# Allegro board LAY-38820_A.brd (continued)
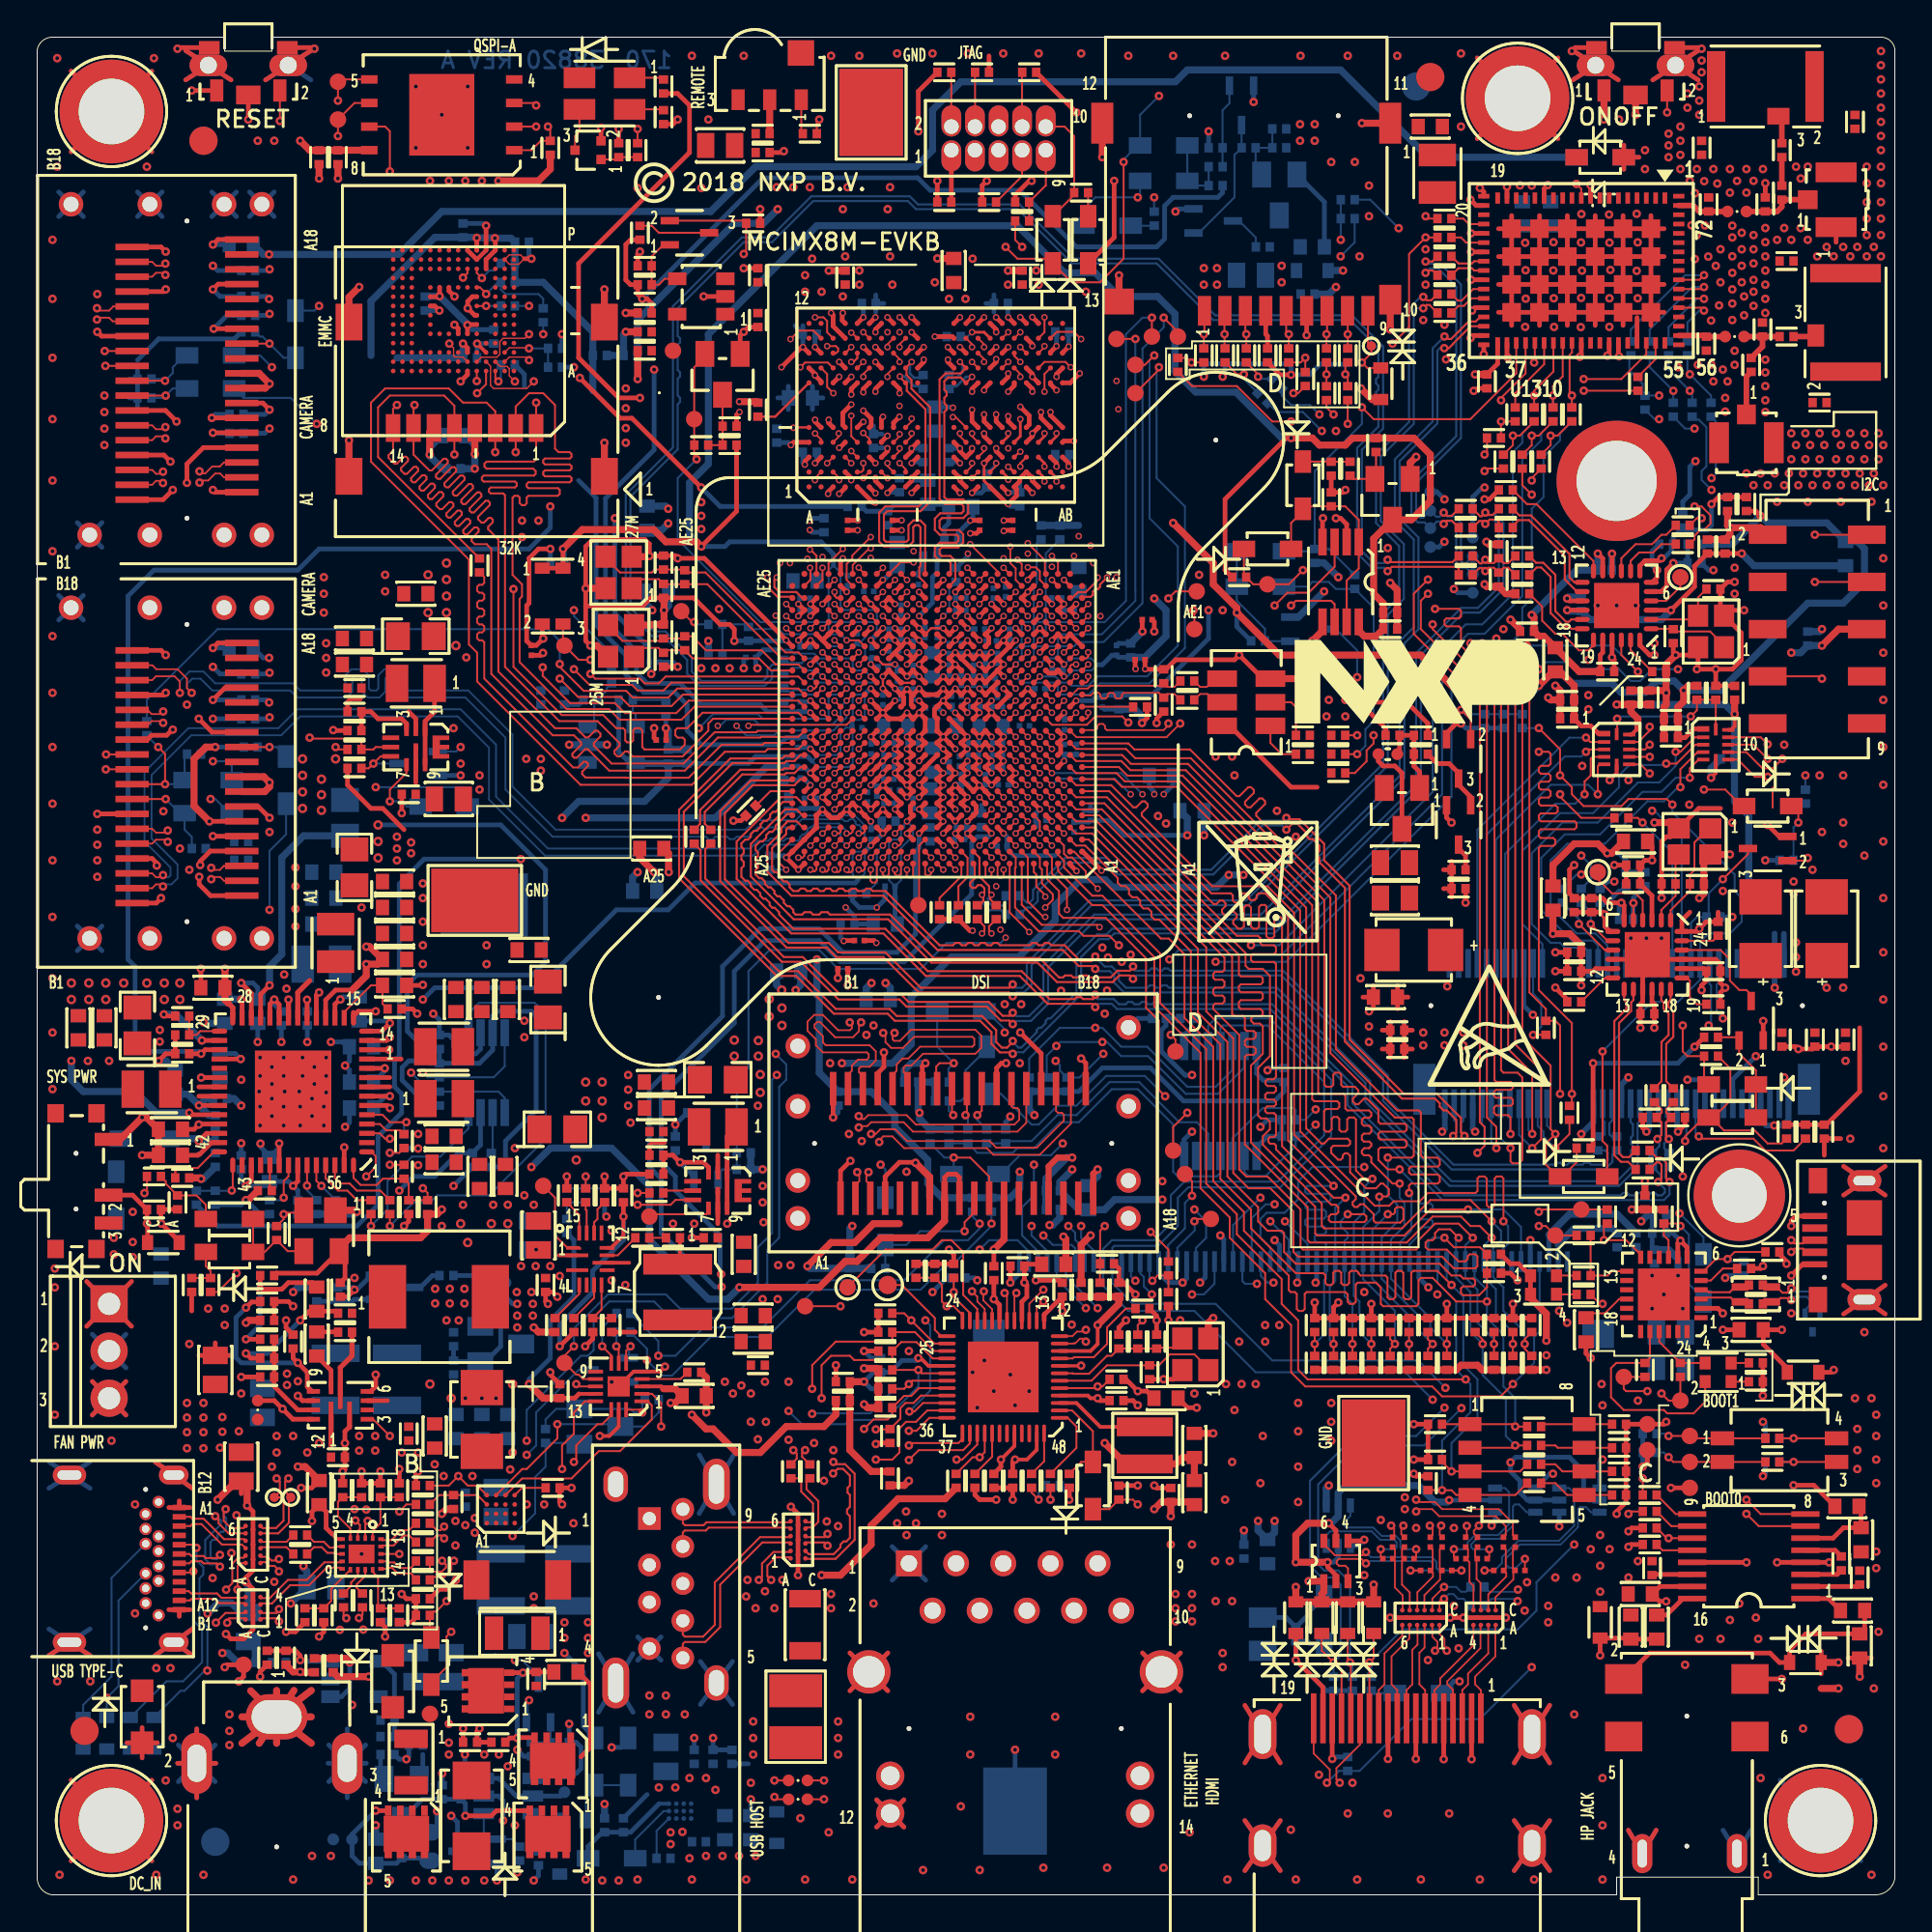
[diagram p0: board, top side]
## Placement (name value [footprint] x y rotation side) (continued)
C405  18PF  [0402_CC]  33.72 71.72 90 top
C406  0.1uF  [0402_CC]  28 71.69 180 bottom
C407  0.1uF  [0402_CC]  37.27 79.06 0 top
C501  0.1uF  [0201_CC]  53.15 62.93 180 bottom
C601  4.7uF  [0402_CC]  20.89 85.66 270 bottom
C602  0.1uF  [0402_CC]  31.94 82.87 180 bottom
C603  0.1uF  [0402_CC]  24.57 83.88 270 bottom
C604  0.1uF  [0402_CC]  30.29 82.87 0 bottom
C605  4.7uF  [0402_CC]  23.3 82.74 0 bottom
C606  0.1uF  [0402_CC]  22.92 89.6 90 bottom
C607  0.1uF  [0402_CC]  26.1 88.96 0 bottom
C610  0.1uF  [0402_CC]  27.88 83.25 0 bottom
C611  1uF  [0402_CC]  27.88 82.23 0 bottom
C613  0.1uF  [0402_CC]  16.19 93.53 270 top
C614  4.7uF  [0402_CC]  15.18 93.53 270 top
C617  0.1uF  [0402_CC]  22.41 76.77 180 bottom
C618  22uF  [0603_CC]  22.41 78.55 180 bottom
C701  22uF  [0805_CC]  10.98 23.05 270 top
C702  22uF  [0805_CC]  12.13 26.48 90 bottom
C703  22uF  [0805_CC]  9.59 28.26 90 top
C704  0.1uF  [0402_CC]  16.19 23.56 0 top
C705  0.22uF  [0402_CC]  16.57 30.29 0 top
C706  0.1uF  [0402_CC]  20 24.83 270 top
C707  22uF  [0603_CC]  22.54 25.21 270 bottom
C708  22uF  [0603_CC]  21.4 24.7 270 top
C709  22uF  [0603_CC]  23.94 25.21 270 bottom
C710  22uF  [0805_CC]  22.16 58.99 0 top
C711  1uF  [0402_CC]  13.78 29.78 90 top
C712  300PF  [0603_CC]  15.05 32.07 90 top
C713  22uF  [0603_CC]  25.34 25.21 270 bottom
C714  1000pF  [0402_CC]  34.35 40.45 270 bottom
C715  1uF  [0402_CC]  27.11 64.45 90 bottom
C716  0.1uF  [0402_CC]  28.38 64.45 90 bottom
C717  1uF  [0402_CC]  33.97 61.28 90 bottom
C718  0.1uF  [0402_CC]  34.99 61.28 90 bottom
C719  0.1uF  [0402_CC]  20 59.24 180 top
C720  0.1uF  [0402_CC]  16.32 32.57 270 top
C721  1000pF  [0402_CC]  7.56 37.27 270 top
C722  22uF  [0603_CC]  17.08 67.63 180 top
C723  22uF  [0603_CC]  17.08 66.23 180 top
C724  0.1uF  [0402_CC]  17.08 64.96 180 top
C725  22uF  [0603_CC]  33.34 43.75 180 top
C726  1uF  [0402_CC]  9.33 32.83 90 top
C727  0.1uF  [0402_CC]  16.19 32.32 90 bottom
C728  1uF  [0402_CC]  15.05 37.02 270 bottom
C729  4.7uF  [0603_CC]  7.43 43.75 270 bottom
C730  0.22uF  [0402_CC]  16.06 37.02 270 bottom
C731  22uF  [0603_CC]  21.91 40.83 180 top
C732  22uF  [0603_CC]  25.21 38.67 270 top
C733  22uF  [0603_CC]  21.91 39.43 180 top
C734  22uF  [0603_CC]  23.81 38.67 270 top
C735  1uF  [0402_CC]  12.51 37.02 270 bottom
C736  4.7uF  [0603_CC]  12.51 39.05 270 bottom
C737  4.7uF  [0603_CC]  17.33 47.69 90 bottom
C738  22uF  [0603_CC]  22.54 48.2 90 top
C739  22uF  [0603_CC]  23.94 48.2 90 top
C740  4.7uF  [0603_CC]  9.84 44.64 270 bottom
C741  22uF  [0603_CC]  15.43 52.26 180 bottom
C742  22uF  [0603_CC]  15.43 55.05 180 bottom
C743  4.7uF  [0603_CC]  17.46 42.35 0 bottom
C744  22uF  [0603_CC]  3.62 46.67 90 top
C745  22uF  [0603_CC]  2.22 46.67 90 top
C746  0.47uF  [0402_CC]  9.84 42.86 180 bottom
C747  4.7uF  [0603_CC]  19.24 48.96 0 top
C748  4.7uF  [0603_CC]  17.46 43.75 0 bottom
C749  4.7uF  [0603_CC]  19.24 50.35 0 top
C750  0.47uF  [0402_CC]  10.98 39.43 270 bottom
C751  4.7uF  [0603_CC]  11.87 47.56 270 bottom
C752  22uF  [0603_CC]  3.62 46.67 90 bottom
C753  22uF  [0603_CC]  2.22 46.67 90 bottom
C754  4.7uF  [0603_CC]  9.46 48.83 180 top
C755  4.7uF  [0603_CC]  10.1 47.56 90 bottom
C756  0.47uF  [0402_CC]  9.59 39.56 90 bottom
C757  4.7uF  [0603_CC]  7.17 41.21 180 top
C758  0.1uF  [0402_CC]  14.54 47.18 270 bottom
C759  4.7uF  [0603_CC]  7.17 39.81 180 top
C760  22uF  [0603_CC]  19.24 51.75 0 top
C761  22uF  [0603_CC]  19.24 53.15 0 top
C762  1uF  [0402_CC]  13.14 47.18 90 bottom
C763  0.1uF  [0402_CC]  7.81 38.59 180 top
C764  0.47uF  [0402_CC]  9.59 37.53 270 bottom
C765  10uF  [0603_CC]  17.46 45.66 0 bottom
C766  0.1uF  [0402_CC]  14.03 37.02 270 bottom
C767  0.1uF  [0402_CC]  7.81 47.31 0 top
C768  1uF  [0402_CC]  7.81 45.27 180 top
C769  0.1uF  [0402_CC]  33.34 41.08 180 top
C770  0.1uF  [0402_CC]  7.81 46.29 180 top
C771  10uF  [0805_CC]  26.61 35.5 90 bottom
C772  10uF  [0805_CC]  26.99 35.5 90 top
C773  0.1uF  [0402_CC]  27.37 32.83 270 top
C774  1uF  [0402_CC]  31.56 37.65 270 top
C775  22uF  [0603_CC]  38.04 34.48 270 top
C776  0.1uF  [0402_CC]  36.26 35.37 180 top
C777  1uF  [0402_CC]  20 37.02 270 top
C778  22uF  [0603_CC]  33.34 42.35 180 top
C779  220uF  [CC3528-21]  23.94 25.59 270 top
C780  1000pF  [0402_CC]  38.04 39.94 0 bottom
C781  0.022UF  [CC0402_25]  24.7 32.96 180 bottom
C787  1uF  [0402_CC]  34.23 35.37 0 top
C788  1uF  [0402_CC]  29.91 30.67 270 top
C789  5.6PF  [0402_CC]  29.53 37.65 270 bottom
C790  22uF  [0603_CC]  38.54 29.78 0 top
C791  22uF  [0603_CC]  38.54 31.18 0 top
C792  0.1uF  [0402_CC]  38.8 28.51 0 top
C793  0.012uF  [0402_CC]  30.54 37.65 90 top
C794  22UF  [0603_CC]  25.34 48.2 90 top
C795  22UF  [0603_CC]  15.43 53.66 180 bottom
C797  22UF  [0603_CC]  19.24 54.55 0 top
C798  0.1uF  [0402_CC]  6.29 36.89 0 top
C799  1uF  [0402_CC]  22.41 28.38 90 bottom
C801  0.1uF  [0402_CC]  72.83 68.13 0 top
C802  0.1uF  [0402_CC]  72.83 69.02 0 top
C803  0.1uF  [0402_CC]  69.66 76.77 270 top
C804  0.1uF  [0402_CC]  95.31 67.63 90 bottom
C901  4.7uF  [0603_CC]  15.18 21.65 90 top
C902  0.1uF  [0402_CC]  20.76 15.94 0 top
C903  10uF  [0805_CC]  11.37 14.41 90 bottom
C904  0.1uF  [0402_CC]  13.02 12.51 0 bottom
C905  0.1uF  [0402_CC]  14.16 18.35 180 top
C906  0.1uF  [0402_CC]  17.51 15.85 270 top
C907  0.1uF  [0402_CC]  14.16 19.37 180 top
C908  0.1uF  [0402_CC]  16.49 15.85 270 top
C909  47uF  [0805_CC]  33.84 7.43 90 bottom
C910  0.1uF  [0402_CC]  35.37 7.43 90 bottom
C911  4.7uF  [0603_CC]  38.42 3.62 90 bottom
C912  0.1uF  [0402_CC]  35.62 2.86 180 bottom
C913  1000pF  [0402_CC]  27.75 21.91 0 top
C914  2.2uF  [0402_CC]  35.37 28.13 180 top
C915  4.7uF  [0603_CC]  35.37 26.86 0 top
C916  0.1uF  [0402_CC]  28.13 27.11 270 top
C917  0.1uF  [0402_CC]  20.76 17.97 180 top
C918  0.1uF  [0402_CC]  20.76 16.95 180 top
C919  0.1uF  [0402_CC]  20.76 20 180 top
C920  0.1uF  [0402_CC]  20.76 18.99 180 top
C921  0.1uF  [0402_CC]  41.59 22.8 270 top
C922  0.1uF  [0402_CC]  40.58 22.8 270 top
C923  22uF  [0805_CC]  15.3 16.57 180 bottom
C924  22uF  [0805_CC]  26.61 13.91 0 bottom
C925  0.1uF  [0402_CC]  19.11 14.67 180 bottom
C926  0.01UF  [0402_CC]  11.37 12.51 180 bottom
C927  47uF  [0805_CC]  24.7 21.14 90 bottom
C928  0.1uF  [0402_CC]  23.05 21.27 90 bottom
C929  100UF  [1210_CC]  16.06 27.75 90 bottom
C930  100UF  [1210_CC]  19.37 27.75 270 bottom
C931  100UF  [1210_CC]  24.95 16.95 90 bottom
C932  100UF  [1210_CC]  28.64 16.95 270 bottom
C933  1000pF  [0402_CC]  26.99 1.97 270 bottom
C934  4700pF  [CC0402_25]  28.38 6.03 90 bottom
C935  0.022uF  [0603_CC]  28.46 12 180 top
C936  0.022uF  [0603_CC]  18.22 2.35 270 bottom
C937  0.47UF  [CC0603_OV]  21.14 2.6 270 bottom
C1001  10uF  [0603_CC]  66.23 18.48 90 bottom
C1002  0.1uF  [0402_CC]  64.96 18.48 90 bottom
C1003  0.1uF  [0201_CC]  75.63 18.99 270 top
C1004  0.1uF  [0201_CC]  74.99 18.99 270 top
C1005  0.1uF  [0201_CC]  73.6 18.99 270 top
C1006  0.1uF  [0201_CC]  72.96 18.99 270 top
C1007  0.1uF  [0201_CC]  79.56 18.99 270 top
C1008  0.1uF  [0201_CC]  78.93 18.99 270 top
C1009  0.1uF  [0201_CC]  77.53 18.99 270 top
C1010  0.1uF  [0201_CC]  76.9 18.99 270 top
C1011  1uF  [0402_CC]  77.53 15.56 180 bottom
C1012  1uF  [0402_CC]  77.53 16.57 180 bottom
C1101  4.7uF  [0603_CC]  98.18 19.11 270 top
C1102  2700pF  [0603_CC]  98.11 13.4 270 top
C1103  2700pF  [0603_CC]  85.79 14.41 270 top
C1104  4.7uF  [0603_CC]  86.3 16.19 180 top
C1109  1uF  [0402_CC]  97.12 17.84 270 top
C1110  1uF  [0402_CC]  98.11 17.08 90 top
C1111  2.2uF  [0402_CC]  86.93 17.59 270 top
C1201  1uF  [0402_CC]  52.77 33.84 180 top
C1202  0.22uF  [0402_CC]  45.4 28.51 90 bottom
C1203  1uF  [0402_CC]  43.37 27.62 180 top
C1204  0.22uF  [0402_CC]  49.59 33.21 0 bottom
C1205  1uF  [0402_CC]  58.23 32.57 90 top
C1206  10uF  [0603_CC]  60.77 26.73 0 top
C1207  0.22uF  [0402_CC]  58.1 26.61 0 top
C1208  10uF  [0603_CC]  62.29 24.19 90 top
C1209  0.22uF  [0402_CC]  52.51 22.29 270 top
C1211  0.22uF  [0402_CC]  51.5 22.29 270 top
C1212  0.22uF  [0402_CC]  61.02 21.53 90 top
C1213  0.22uF  [0402_CC]  51.5 33.46 90 top
C1214  0.22uF  [0402_CC]  55.18 32.57 90 top
C1216  1000pf  [CC1210]  40.83 9.59 90 top
C1217  470PF  [0402_CC]  49.34 33.59 90 top
C1218  470PF  [0402_CC]  48.32 33.59 90 top
C1219  470PF  [0402_CC]  45.66 31.3 180 top
C1220  22PF  [0402_CC]  59.88 28.13 270 top
C1221  22PF  [0402_CC]  60.26 29.78 90 top
C1301  100pF  [0402_CC]  75.75 88.2 0 top
C1302  100pF  [0402_CC]  75.75 87.18 0 top
C1304  0.1uF  [0402_CC]  35.37 56.96 270 top
C1305  0.1uF  [0402_CC]  36.26 56.96 270 top
C1307  4.7uF  [0603_CC]  79.95 90.49 270 bottom
C1308  4.7uF  [0603_CC]  81.47 90.49 270 bottom
C1309  4.7uF  [0603_CC]  74.99 95.19 180 top
C1310  2.2uF  [0402_CC]  78.04 81.47 270 top
C1311  0.1uF  [0402_CC]  75.75 85.15 0 top
C1312  0.1uF  [0402_CC]  75.75 86.17 0 top
C1313  0.1uF  [0402_CC]  76.9 72.07 0 top
C1314  0.1uF  [0402_CC]  76.9 71.06 0 top
C1315  1uF  [0402_CC]  90.99 74.87 270 top
C1316  0.01UF  [0402_CC]  87.69 72.71 180 bottom
C1317  1uF  [0402_CC]  80.2 68.01 180 top
C1318  0.01UF  [0402_CC]  84.52 65.85 0 top
C1319  0.01UF  [0402_CC]  84.39 71.31 0 bottom
C1320  1uF  [0402_CC]  83.12 69.48 90 bottom
C1321  0.01UF  [0402_CC]  90.87 72.58 90 top
C1322  0.01UF  [0402_CC]  89.9 72.58 90 top
C1323  18PF  [0402_CC]  88.07 67.75 270 top
C1324  18PF  [0402_CC]  90.23 70.29 0 top
C1401  1uF  [0402_CC]  83.68 53.28 90 top
C1402  0.01UF  [0402_CC]  82.74 53.28 90 top
C1403  1uF  [0402_CC]  82.74 50.74 180 top
C1410  39pF  [0402_CC]  96.2 41.08 270 top
C1411  39pF  [0402_CC]  97.34 46.04 270 top
C1412  39pF  [0402_CC]  73.21 45.53 180 top
C1413  0.1uF  [0402_CC]  95.69 46.04 270 top
C1414  0.1uF  [0402_CC]  73.21 46.54 180 top
C1415  0.1uF  [0402_CC]  93.92 46.04 270 top
C1416  10uF  [0603_CC]  72.58 48.32 180 top
C1417  220uF  [CC3528-21]  96.33 52.01 90 top
C1418  220uF  [CC3528-21]  92.77 52.01 90 top
C1419  220uF  [CC3528-21]  74.1 50.86 180 top
C1420  0.1uF  [0402_CC]  85.03 40.45 90 bottom
C1421  0.1uF  [0402_CC]  84.01 40.45 90 bottom
C1422  0.01UF  [0402_CC]  90.23 49.72 0 top
C1423  0.01UF  [0402_CC]  82.74 49.72 180 top
C1424  1uF  [0402_CC]  85.91 54.42 180 top
C1425  0.01UF  [0402_CC]  86.68 47.43 180 top
C1426  0.01UF  [0402_CC]  85.91 55.43 180 top
C1429  18PF  [0402_CC]  89.34 54.42 0 top
C1430  18PF  [0402_CC]  87.82 54.42 180 top
C1431  1uF  [0402_CC]  82.36 63.31 180 top
C1432  0.01UF  [0402_CC]  82.36 64.32 180 top
C1433  1uF  [0402_CC]  85.79 64.45 90 top
C1434  0.01UF  [0402_CC]  86.8 64.45 90 top
C1435  1uF  [0402_CC]  87.95 63.31 180 top
C1436  0.01UF  [0402_CC]  87.95 62.29 180 top
C1437  1uF  [0402_CC]  91.38 64.71 90 top
C1438  0.01UF  [0402_CC]  90.99 61.15 180 bottom
C1439  0.1uF  [0402_CC]  77.91 63.18 270 bottom
C1440  1uF  [0402_CC]  76.52 54.16 0 top
C1441  0.22uF  [0402_CC]  72.96 62.42 0 top
C1442  0.022UF  [CC0402_25]  72.71 61.4 0 top
C1509  0.1uF  [0402_CC]  10.73 78.68 0 bottom
C1510  0.1uF  [0402_CC]  11.37 86.04 180 bottom
C1511  0.1uF  [0402_CC]  11.37 87.44 180 bottom
C1512  0.1uF  [0402_CC]  10.98 56.7 0 bottom
C1513  0.1uF  [0402_CC]  11.37 64.32 180 bottom
C1514  0.1uF  [0402_CC]  11.37 65.72 180 bottom
C1515  4.7uF  [0402_CC]  10.73 79.69 0 bottom
C1516  4.7uF  [0402_CC]  11.37 85.03 180 bottom
C1517  10uF  [0603_CC]  10.98 88.84 180 bottom
C1518  4.7uF  [0402_CC]  10.98 55.69 0 bottom
C1519  4.7uF  [0402_CC]  11.37 63.31 180 bottom
C1520  10uF  [0603_CC]  10.98 67.12 180 bottom
C1521  4.7uF  [0402_CC]  43.75 34.1 90 bottom
C1522  0.1uF  [0402_CC]  47.05 43.75 180 bottom
C1523  0.1uF  [0402_CC]  43.12 42.86 270 bottom
C1524  0.1uF  [0402_CC]  54.67 37.91 180 bottom
C1525  10uF  [0603_CC]  56.58 37.53 90 bottom
C1526  4.7uF  [0402_CC]  54.67 36.89 180 bottom
C1527  0.1uF  [0402_CC]  60.39 47.18 180 bottom
C1528  0.1uF  [0402_CC]  67.12 44.13 90 bottom
C1529  0.1uF  [0402_CC]  21.65 45.91 90 bottom
C1530  0.1uF  [0402_CC]  23.43 39.56 270 bottom
C1601  1uF  [0402_CC]  38.8 87.18 90 top
C1602  0.1uF  [0402_CC]  38.8 84.77 270 top
C1603  1uF  [0402_CC]  32.7 84.14 180 top
C1604  0.1uF  [0402_CC]  32.7 85.15 180 top
C1605  0.1uF  [0402_CC]  66.23 82.87 270 top
C1606  47uF  [0805_CC]  65.34 87.18 180 bottom
C1607  0.22uF  [0402_CC]  66.86 94.04 180 bottom
C1608  47uF  [0805_CC]  36.77 94.17 180 top
C1609  0.1uF  [0402_CC]  39.05 93.79 0 top
C1610  1uF  [0402_CC]  68.39 86.17 0 bottom
C1611  0.1uF  [0402_CC]  63.44 94.04 180 bottom
C1701  1uF  [0402_CC]  87.31 36.64 180 bottom
C1703  0.1uF  [0402_CC]  86.55 37.27 90 top
C1704  0.1uF  [0402_CC]  87.31 35.62 180 bottom
C1705  4.7uF  [0402_CC]  93.41 34.61 0 top
C1706  1uF  [0402_CC]  91.88 33.72 270 bottom
C1707  4.7uF  [0603_CC]  83.37 30.42 270 top
C1801  22uF  [0805_CC]  87.95 30.29 0 bottom
C1802  0.1uF  [0402_CC]  87.06 34.35 90 bottom
D401  ZLLS400  [SOD323]  54.67 89.09 180 top
D402  ZLLS400  [SOD323]  56.58 89.09 180 top
D701  ZLLS400  [SOD323]  10.35 36.38 270 top
D702  ZLLS400  [SOD323]  10.35 34.61 270 top
D703  ZLLS400  [SOD323]  21.91 58.58 90 bottom
D704  1N4148WS  [SOD323]  5.78 40.7 270 bottom
D705  1N4148WS  [SOD323]  4.25 37.65 0 bottom
D706  BZX585-B2V4  [SOD523]  6.79 35.11 0 top
D801  ZLLS400  [SOD323]  66.23 72.45 90 top
D802  ZLLS400  [SOD323]  68.13 75.88 0 top
D901  ZLLS400  [SOD323]  21.22 12.59 0 top
D902  ZLLS400  [SOD323]  31.81 7.17 180 bottom
D903  ZLLS400  [SOD323]  30.03 7.17 180 bottom
D904  ZLLS400  [SOD323]  30.92 1.97 270 bottom
D905  PMEG6030ELP  [SOD-128]  25.84 16.95 0 top
D907  B330A  [SMA]  23.38 4.25 270 top
D908  PTVS24VS1UR  [SOD123W]  5.65 9.59 270 top
D909  PTVS24VS1UR  [SOD123W]  19.14 11.49 90 top
D910  BZX585-B3V3  [SOD523]  28.13 1.97 270 bottom
D1001  ZLLS400  [SOD323]  69.28 14.79 180 bottom
D1003  ZLLS400  [SOD323]  74.36 10.86 90 bottom
D1201  ZLLS400  [SOD323]  56.83 22.03 0 top
D1301  1N4148WS  [SOD323]  84.14 93.53 270 bottom
D1302  1N4148WS  [SOD323]  84.14 93.53 270 top
D1303  ZLLS400  [SOD323]  65.85 72.33 270 bottom
D1304  ZLLS400  [SOD323]  65.85 70.42 270 bottom
D1401  ZLLS400  [SOD323]  91.25 41.85 270 top
D1402  ZLLS400  [SOD323]  91.25 43.62 270 top
D1403  ZLLS400  [SOD323]  93.15 58.61 90 top
D1404  ZLLS400  [SOD323]  83.25 38.67 90 top
D1405  ZLLS400  [SOD323]  57.59 89.85 90 bottom
D1501  ZLLS400  [SOD323]  50.48 38.8 270 bottom
D1502  ZLLS400  [SOD323]  9.33 81.09 270 bottom
D1503  ZLLS400  [SOD323]  13.91 84.01 0 bottom
D1504  ZLLS400  [SOD323]  13.4 60.01 180 bottom
D1505  ZLLS400  [SOD323]  9.21 58.23 270 bottom
D1506  ZLLS400  [SOD323]  9.33 82.87 270 bottom
D1507  ZLLS400  [SOD323]  9.21 60.01 270 bottom
D1508  ZLLS400  [SOD323]  49.72 47.56 270 bottom
D1509  ZLLS400  [SOD323]  51.12 44.39 180 bottom
D1510  ZLLS400  [SOD323]  45.66 36.26 0 bottom
D1601  LED_RED-GRN  [LED_DUAL_3025MM_SM]  30.54 96.96 180 top
D1602  ESD9L5.0ST5G  [SOD-923]  70.55 82.87 90 bottom
D1603  ESD9L5.0ST5G  [SOD-923]  69.4 82.87 90 bottom
D1604  ESD9L5.0ST5G  [SOD-923]  67.37 82.87 90 bottom
D1605  ESD9L5.0ST5G  [SOD-923]  65.09 82.87 90 bottom
D1606  ESD9L5.0ST5G  [SOD-923]  63.94 82.87 90 bottom
D1607  ESD9L5.0ST5G  [SOD-923]  62.8 82.87 90 bottom
D1608  ZLLS400  [SOD323]  60.64 92.26 90 bottom
D1609  ZLLS400  [SOD323]  60.64 94.17 90 bottom
D1701  ESD7C  [SOT-723]  95.57 30.8 0 bottom
D1702  LED ORANGE/GREEN  [LED_0606]  90.49 28.13 180 top
D1703  LED ORANGE/GREEN  [LED_0606]  81.09 32.83 0 top
D1704  ZLLS400  [SOD323]  89.7 33.21 0 bottom
E1301  ACM3-5036-A1-CC-S  [ANTENNA_ACM3_5036_A1]  97.34 84.64 270 top
E1302  ACM3-5036-A1-CC-S  [ANTENNA_ACM3_5036_A1]  93.03 97.34 0 top
F901  7A  [FUSE_3P4X1P8]  20.13 7.15 270 top
F902  7A  [FUSE_3P4X1P8]  25.84 14.08 180 top
F1001  PICOSMDC035S  [FUSE_1P8_2P2X1P5]  65.98 14.03 90 bottom
J401  HDR 2X5  [CON_2RH_10_50]  49.21 93.92 0 top
J601  CAH11-08163-S107  [CON8_FLASH_1P1MM_SM]  23.66 80.91 0 top
J801  CON 2X5  [CON2X5_SKT_100_SM]  95.82 68.13 0 top
J802  HDR 1X3  [HDR1X3_TH]  3.87 31.81 0 top
J901  23K20101#LCP-582RF  [CON24_USB_TYPEC_RA_SMT_TH]  6.54 15.05 270 top
J902  PJ1-021  [CON3_DC_PWR_JACK_TH]  12.89 9.58 0 top
J903  USB_TYPE_A  [CON9_USBA_VER_7P32X25P7]  32.96 20.26 0 top
J1001  CON HDMI 1X19  [CON_RA_HDMI_19P_0P5_SM]  73.21 4.13 0 top
J1101  PJ31360-I  [CON6_AUDJACK_RA_TH]  91.5 2.22 90 top
J1201  HR851178C  [CON_RJ45_10F_100_TH_RA]  46.93 17.84 180 top
J1301  MXC3N2001  [CON_3_UFL_R_SMT]  92.01 78.17 0 top
J1302  MXC3N2001  [CON_3_UFL_R_SMT]  96.84 91.25 90 top
J1401  CON_MINI CARD_RA  [CON_75_0P5_22X9_RA]  85.03 46.19 0 bottom
J1501  IPASS MINISAS  [CON_36_0P8_TH]  49.85 40.45 0 top
J1502  IPASS MINISAS  [CON_36_0P8_TH]  8.06 82.1 90 top
J1503  IPASS MINISAS  [CON_36_0P8_TH]  8.06 60.39 90 top
J1601  CONN_SD_CARD 9  [CON9_SDCARD_1P1MM]  65.09 92.52 180 top
J1701  MICRO_USB_TYPEB  [CON_USB_TYPE_B_SM]  98.36 35.24 90 top
J1801  XF2M-6015-1AH  [CON_FPC_60F_0P5_SM_RA]  67.63 32.34 180 bottom
L101  120OHM  [0603_CC]  45.66 52.26 180 bottom
L104  240 OHM  [0201_CC]  46.32 65.62 90 bottom
L701  1.5uH  [IND_IHLP]  21.65 32.19 0 top
L702  1uH  [IND_SPH2520]  21.91 42.86 0 top
L703  1uH  [IND_SPH2520]  21.91 45.66 0 top
L704  1uH  [IND_SPH2520]  15.3 50.1 0 bottom
L705  1uH  [IND_SPH2520]  6.16 43.37 180 top
L706  0.47uH  [IND_SPH2520]  36.64 41.34 180 top
L707  1uH  [IND_SPH2520]  16.06 51.24 90 top
L709  4.7uH  [IND2_4P3X4P3]  34.48 32.45 270 top
L710  0.47uH  [IND_SPH2520]  20.38 65.21 180 top
L901  120OHM  [0603_CC]  37.02 3.62 270 bottom
L1104  120OHM  [0603_CC]  97.42 20.92 180 top
L1201  120OHM  [0603_CC]  54.72 33.95 180 top
L1202  4.7UH  [IND_VLS3012_SM]  59.63 24.19 270 top
L1203  120OHM  [0603_CC]  62.29 21.65 90 top
L1301  2.2uH  [IND_SPH2520]  75.37 92.65 270 top
L1302  1nH  [0402_CC]  89.85 83.5 270 top
L1303  1nH  [0402_CC]  92.87 84.26 90 top
L1304  1nH  [0402_CC]  89.98 90.99 90 top
L1305  1nH  [0402_CC]  93.03 90.99 90 top
L1306  120OHM  [0603_CC]  81.72 66.48 90 top
L1307  120OHM  [0603_CC]  97.34 72.2 90 bottom
L1401  120OHM  [0603_CC]  81.6 53.66 270 top
L1402  120OHM  [0603_CC]  86.04 56.7 180 top
L1702  120OHM  [0603_CC]  92.26 30.42 180 top
L1703  90OHM  [IND4_CHOKE_0805]  92.52 32.32 180 top
NOREF  -  []  73.48 15.32 0 top
NOREF#2  -  []  41.36 18.11 90 top
NOREF#3  -  []  85.4 8.52 0 top
NOREF#4  -  []  13.79 101.64 0 top
NOREF#5  -  []  22.34 12.63 0 top
NOREF#6  -  []  87.14 97.94 0 top
NOREF#7  -  []  75.78 42.59 90 top
NOREF#8  -  []  26.55 5.35 0 top
NOREF#9  -  []  72.84 85.87 90 top
NOREF#10  -  []  8.06 68.39 90 top
NOREF#11  -  []  20.09 10.09 90 top
NOREF#12  -  []  16.41 17.55 90 top
NOREF#13  -  []  58.36 8.95 90 top
NOREF#14  -  []  41.85 40.45 0 top
NOREF#15  -  []  60.88 51.05 0 top
NOREF#16  -  []  9.29 4.08 90 top
NOREF#17  -  []  12.23 14.62 0 top
NOREF#18  -  []  95.44 39.32 0 top
NOREF#19  -  []  26.9 71.61 0 top
NOREF#20  -  []  64.62 -1.1 90 top
NOREF#21  -  []  12.89 2.58 90 top
NOREF#22  -  []  44.77 12 0 top
NOREF#23  -  []  18.9 4.53 0 top
NOREF#24  -  []  117.88 34.14 90 top
NOREF#25  -  []  56.85 37.5 90 top
NOREF#26  -  []  89.89 15.67 0 top
NOREF#27  -  []  78.62 91.34 0 top
NOREF#28  -  []  89.34 97.94 90 top
NOREF#29  -  []  41.55 84.59 0 top
NOREF#30  -  []  20.2 4.53 0 top
NOREF#31  -  []  62.04 95.77 0 top
NOREF#32  -  []  0 99.31 0 top
NOREF#33  -  []  35.62 74.55 0 top
NOREF#34  -  []  29.95 28.72 0 top
NOREF#35  -  []  8.59 7.08 0 top
NOREF#36  -  []  6.54 21.15 90 top
NOREF#37  -  []  84.38 34.14 0 top
NOREF#38  -  []  90.22 57.76 0 top
NOREF#39  -  []  27.19 68.41 90 top
NOREF#40  -  []  84.13 60.61 0 top
NOREF#41  -  []  14.87 26.6 90 top
NOREF#42  -  []  44.47 -2.07 0 top
NOREF#43  -  []  4.7 8.19 0 top
NOREF#44  -  []  77.27 91.94 0 top
NOREF#45  -  []  71.64 85.27 90 top
NOREF#46  -  []  65.99 28.1 90 top
NOREF#47  -  []  96.21 37.24 90 top
NOREF#48  -  []  34.07 5.2 0 top
NOREF#49  -  []  9.22 98.49 90 top
NOREF#50  -  []  71.88 34.09 0 top
NOREF#51  -  []  9.27 99.44 0 top
NOREF#52  -  []  25.85 1.46 90 top
NOREF#53  -  []  58.75 38.45 90 top
NOREF#54  -  []  88.37 57.41 0 top
NOREF#55  -  []  57.85 40.45 90 top
NOREF#56  -  []  45.92 4.38 90 top
NOREF#57  -  []  9.67 97.13 90 top
NOREF#58  -  []  88.47 101.64 0 top
NOREF#59  -  []  8.06 68.39 90 top
NOREF#60  -  []  4.7 8.19 90 top
NOREF#61  -  []  41.57 17.9 90 top
NOREF#62  -  []  75.7 15.53 90 top
NOREF#63  -  []  23.84 15.6 90 top
NOREF#64  -  []  63.04 28.25 90 top
NOREF#65  -  []  83.89 98.49 90 top
NOREF#66  -  []  85.45 -0.03 0 top
NOREF#67  -  []  42.44 50.49 90 top
NOREF#68  -  []  85.45 -0.03 0 top
NOREF#69  -  []  12.09 51.49 90 top
NOREF#70  -  []  85.7 60.86 90 top
NOREF#71  -  []  83.94 99.44 0 top
NOREF#72  -  []  34.76 16.76 90 top
NOREF#73  -  []  8.06 68.39 90 top
NOREF#74  -  []  11.01 89.1 90 top
NOREF#75  -  []  117.88 29.24 90 top
NOREF#76  -  []  69.02 20 90 top
NOREF#77  -  []  18.64 99.24 90 top
NOREF#78  -  []  98.95 0 90 top
NOREF#79  -  []  89.06 69.61 0 top
NOREF#80  -  []  58.36 8.95 90 top
NOREF#81  -  []  84.34 97.13 0 top
NOREF#82  -  []  5.84 15.7 90 top
NOREF#83  -  []  18.19 12.89 0 top
NOREF#84  -  []  45.92 4.38 0 top
NOREF#85  -  []  18.23 1.46 0 top
NOREF#86  -  []  67.7 63.05 0 top
NOREF#87  -  []  4 4 0 top
NOREF#88  -  []  56.23 76.5 0 top
NOREF#89  -  []  74.02 71.83 90 top
NOREF#90  -  []  75.03 47.86 0 top
NOREF#91  -  []  95.17 31.29 0 top
NOREF#92  -  []  52.01 17.84 0 top
NOREF#93  -  []  12.89 9.58 90 top
NOREF#94  -  []  30.06 28.17 0 top
NOREF#95  -  []  11.64 9.38 90 top
NOREF#96  -  []  77.21 9.5 0 top
NOREF#97  -  []  66.79 66.8 0 top
NOREF#98  -  []  11.22 14.83 90 top
NOREF#99  -  []  26.1 5.4 90 top
NOREF#100  -  []  9.67 97.13 90 top
NOREF#101  -  []  30.53 76.36 90 top
NOREF#102  -  []  58.75 36.42 90 top
NOREF#103  -  []  98.49 70.67 90 top
NOREF#104  -  []  41.3 55.51 90 top
NOREF#105  -  []  77.31 15.32 0 top
NOREF#106  -  []  12.09 73.21 90 top
NOREF#107  -  []  8.06 52.39 90 top
NOREF#108  -  []  25.41 10.01 90 top
NOREF#109  -  []  93.32 99.24 90 top
NOREF#110  -  []  33.21 92.14 0 top
NOREF#111  -  []  7.65 20.85 90 top
NOREF#112  -  []  77.51 14.92 0 top
NOREF#113  -  []  63.39 28.1 0 top
NOREF#114  -  []  12.02 19.46 90 top
NOREF#115  -  []  95.69 36.54 90 top
NOREF#116  -  []  95.69 33.94 90 top
NOREF#117  -  []  15.73 62.84 0 top
NOREF#118  -  []  11.01 67.39 90 top
NOREF#119  -  []  17.88 93.92 90 top
NOREF#120  -  []  76.03 50.14 0 top
NOREF#121  -  [unnamed#2]  8.95 94.43 0 top
NOREF#122  -  []  81.47 22.54 0 top
NOREF#123  -  []  8.06 74.11 0 top
NOREF#124  -  []  84.34 97.13 90 top
NOREF#125  -  []  41.57 17.9 90 top
NOREF#126  -  []  16.23 88.54 0 top
NOREF#127  -  []  89.09 15.95 90 top
NOREF#128  -  []  8.59 7.08 0 top
NOREF#129  -  []  75.03 47.86 90 top
NOREF#130  -  []  31.15 11.41 0 top
NOREF#131  -  []  11.01 75.51 90 top
NOREF#132  -  []  66.04 80.66 0 top
NOREF#133  -  []  204.02 -90.62 0 top
NOREF#134  -  []  19.73 106.97 0 top
NOREF#135  -  []  58.24 85.77 0 top
NOREF#136  -  []  36.14 36.96 90 top
NOREF#137  -  []  89.69 61.11 0 top
NOREF#138  -  []  16.41 18.75 90 top
NOREF#139  -  []  23.99 11.24 0 top
NOREF#140  -  []  4 4 0 top
NOREF#141  -  []  9.22 98.49 0 top
NOREF#142  -  []  98.49 63.05 90 top
NOREF#143  -  []  16.86 17.5 0 top
NOREF#144  -  []  88.8 2.62 90 top
NOREF#145  -  []  -2.06 23.2 0 top
NOREF#146  -  []  12.47 97.94 0 top
NOREF#147  -  []  93.24 61.38 0 top
NOREF#148  -  []  41.55 84.59 0 top
NOREF#149  -  []  28.73 32.68 0 top
NOREF#150  -  []  -377.64 219.26 0 top
NOREF#151  -  []  19.03 61.28 90 top
NOREF#152  -  []  91.03 61.11 90 top
NOREF#153  -  []  51.23 30.19 90 top
NOREF#154  -  []  51.23 30.19 0 top
NOREF#155  -  []  37.99 37.91 90 top
NOREF#156  -  []  29.18 32.83 0 top
NOREF#157  -  []  26.52 4.53 0 top
NOREF#158  -  []  56.85 37.5 0 top
NOREF#159  -  []  30.9 28.62 0 top
NOREF#160  -  []  84.03 50.14 0 top
NOREF#161  -  []  18.73 26.1 0 top
NOREF#162  -  []  30.07 -1.92 0 top
NOREF#163  -  []  32.96 13.26 90 top
NOREF#164  -  []  35.29 37.41 90 top
NOREF#165  -  []  34.95 70.18 90 top
NOREF#166  -  []  30.68 34.43 90 top
NOREF#167  -  []  33.45 48.31 0 top
NOREF#168  -  []  51.62 119.57 0 top
NOREF#169  -  []  41.85 40.45 0 top
NOREF#170  -  []  91.5 2.22 90 top
NOREF#171  -  []  30.6 72.03 0 top
NOREF#172  -  []  -89.44 -183.96 0 top
NOREF#173  -  []  5.84 15.7 90 top
NOREF#174  -  []  34.01 4.11 0 top
NOREF#175  -  []  77.5 17.15 0 top
NOREF#176  -  []  12.02 17.86 90 top
NOREF#177  -  []  15.77 30.5 0 top
NOREF#178  -  []  12.23 17.65 90 top
NOREF#179  -  []  74.99 43.62 0 top
NOREF#180  -  []  61.64 29.95 0 top
NOREF#181  -  []  26.86 78.96 0 top
NOREF#182  -  []  13.85 14.62 90 top
NOREF#183  -  []  -2.99 -48.07 0 top
NOREF#184  -  []  19.88 60.84 90 top
NOREF#185  -  []  35.21 4.11 90 top
NOREF#186  -  []  28.88 34.83 0 top
NOREF#187  -  []  16.86 17.5 90 top
NOREF#188  -  []  85.45 12.82 0 top
NOREF#189  -  [unnamed#2]  2.55 8.83 0 top
NOREF#190  -  []  32.01 70.33 90 top
NOREF#191  -  []  43.25 37.5 0 top
NOREF#192  -  []  31.08 73.29 90 top
NOREF#193  -  []  84.34 97.13 90 top
NOREF#194  -  []  95.57 30.31 90 top
NOREF#195  -  []  23.84 18.3 0 top
NOREF#196  -  []  8.06 90.1 90 top
NOREF#197  -  []  33.45 48.31 90 top
NOREF#198  -  []  8.06 90.1 90 top
NOREF#199  -  []  8.06 68.39 0 top
NOREF#200  -  []  1.74 22.6 0 top
NOREF#201  -  []  94.94 30.37 90 top
NOREF#202  -  []  30.53 76.36 90 top
NOREF#203  -  []  94.94 31.22 0 top
NOREF#204  -  []  30.68 33.63 90 top
NOREF#205  -  []  -87.44 135.44 0 top
NOREF#206  -  []  26.77 8.47 0 top
NOREF#207  -  []  57.69 96.47 0 top
NOREF#208  -  []  -88.84 -177.61 0 top
NOREF#209  -  []  40.65 64.61 90 top
NOREF#210  -  []  1.74 13.6 90 top
NOREF#211  -  []  34.81 4.11 0 top
NOREF#212  -  []  98.36 34.04 90 top
NOREF#213  -  []  70.04 95.77 0 top
NOREF#214  -  [unnamed#2]  74.99 97.85 0 top
NOREF#215  -  []  16.24 17.33 90 top
NOREF#216  -  []  27.19 68.41 0 top
NOREF#217  -  []  7.65 15.35 90 top
NOREF#218  -  []  95.01 33.42 0 top
NOREF#219  -  []  41.36 19.71 90 top
NOREF#220  -  []  16.23 73.29 0 top
NOREF#221  -  []  95.86 38.44 0 top
NOREF#222  -  []  77.27 82.94 90 top
NOREF#223  -  []  60.82 -2.07 90 top
NOREF#224  -  []  -91 -186.84 0 top
NOREF#225  -  []  25.83 98.87 90 top
NOREF#226  -  []  75.7 15.53 90 top
NOREF#227  -  []  91.03 62.31 90 top
NOREF#228  -  []  74.68 43.36 90 top
NOREF#229  -  []  85.08 35.44 0 top
NOREF#230  -  []  26.1 5.4 0 top
NOREF#231  -  []  5.11 66.99 0 top
NOREF#232  -  []  16.41 17.55 0 top
NOREF#233  -  []  32.13 66.65 90 top
NOREF#234  -  []  52.01 17.84 0 top
NOREF#235  -  []  9.29 11.28 90 top
NOREF#236  -  []  32.48 66.5 0 top
NOREF#237  -  []  54.3 71.11 0 top
NOREF#238  -  []  84.35 60.86 0 top
NOREF#239  -  []  83.89 98.49 0 top
NOREF#240  -  []  62.84 85.27 0 top
NOREF#241  -  []  40.65 70.46 0 top
NOREF#242  -  []  11.01 75.51 90 top
NOREF#243  -  []  46.93 8.95 0 top
NOREF#244  -  []  29.98 32.83 0 top
NOREF#245  -  []  32.96 13.26 0 top
NOREF#246  -  []  -189.8 -175.2 0 top
NOREF#247  -  []  14.67 97.94 90 top
NOREF#248  -  []  43.25 37.5 0 top
NOREF#249  -  []  34.07 3.52 90 top
NOREF#250  -  []  45.92 4.38 90 top
NOREF#251  -  []  26.9 68.21 90 top
NOREF#252  -  []  -408.75 -298.13 0 top
NOREF#253  -  []  21.73 61.78 90 top
NOREF#254  -  []  30.06 27.77 90 top
NOREF#255  -  []  19.16 78.96 0 top
NOREF#256  -  []  12.89 9.58 90 top
NOREF#257  -  []  8.59 7.08 90 top
NOREF#258  -  []  5.11 88.7 0 top
NOREF#259  -  []  57.34 95.37 0 top
NOREF#260  -  []  3.23 4.79 0 top
NOREF#261  -  []  89.89 15.67 0 top
NOREF#262  -  []  26.3 1.41 0 top
NOREF#263  -  []  32.96 13.26 90 top
NOREF#264  -  []  32.36 70.18 0 top
NOREF#265  -  []  85.4 11.62 0 top
NOREF#266  -  []  89.41 68.86 0 top
NOREF#267  -  []  23.64 16.95 0 top
NOREF#268  -  []  75.78 42.59 0 top
NOREF#269  -  []  5.11 53.39 0 top
NOREF#270  -  []  75.29 14.92 90 top
NOREF#271  -  []  55.2 75.79 90 top
NOREF#272  -  []  89.09 20.5 0 top
NOREF#273  -  []  17.88 97.73 0 top
NOREF#274  -  []  72.49 85.22 90 top
NOREF#275  -  []  58.36 8.95 90 top
NOREF#276  -  []  12.23 17.65 90 top
NOREF#277  -  []  -3.91 3.08 90 top
NOREF#278  -  []  98.4 61.38 90 top
NOREF#279  -  []  80.74 -2.07 90 top
NOREF#280  -  []  8.06 74.11 90 top
NOREF#281  -  []  8.06 90.1 0 top
NOREF#282  -  []  95.44 31.17 90 top
NOREF#283  -  []  35.09 38.96 0 top
NOREF#284  -  []  11.62 15.03 90 top
NOREF#285  -  []  85.45 -0.03 90 top
NOREF#286  -  []  17.87 27.4 90 top
NOREF#287  -  []  63.79 65.47 0 top
NOREF#288  -  []  57.69 85.22 0 top
NOREF#289  -  []  85.45 -0.03 0 top
NOREF#290  -  []  65.97 2.65 0 top
NOREF#291  -  []  30.73 68.35 0 top
NOREF#292  -  []  12.02 17.86 90 top
NOREF#293  -  []  89.46 60.86 0 top
NOREF#294  -  []  40.95 36.42 0 top
NOREF#295  -  []  92.82 57.76 90 top
NOREF#296  -  []  8.06 90.1 90 top
NOREF#297  -  []  27.82 4.53 0 top
NOREF#298  -  []  14.87 27.1 0 top
NOREF#299  -  []  62.55 51.37 0 top
NOREF#300  -  []  83.12 91.34 0 top
NOREF#301  -  []  16.82 25.8 90 top
NOREF#302  -  []  70.54 85.27 0 top
NOREF#303  -  []  70.19 66.8 90 top
NOREF#304  -  []  41.36 18.11 90 top
NOREF#305  -  []  35.21 4.51 90 top
NOREF#306  -  []  23.66 80.91 0 top
NOREF#307  -  []  41.85 40.45 0 top
NOREF#308  -  []  22.34 9.34 90 top
NOREF#309  -  []  8.06 90.1 90 top
NOREF#310  -  []  37.64 -1.92 90 top
NOREF#311  -  []  85.4 11.62 0 top
NOREF#312  -  []  11.01 53.79 90 top
NOREF#313  -  []  75.78 42.59 90 top
NOREF#314  -  []  86.4 2.22 90 top
NOREF#315  -  []  83.89 98.49 90 top
NOREF#316  -  []  8.06 52.39 0 top
NOREF#317  -  [unnamed#2]  97.52 8.92 0 top
NOREF#318  -  []  28.07 8.47 0 top
NOREF#319  -  []  9.67 97.13 0 top
NOREF#320  -  []  80.87 89.69 0 top
NOREF#321  -  []  91.26 60.86 90 top
NOREF#322  -  []  90.81 67.16 90 top
NOREF#323  -  []  8.14 23.2 90 top
NOREF#324  -  []  85.93 60.61 90 top
NOREF#325  -  []  74.68 43.36 0 top
NOREF#326  -  []  95.69 35.89 90 top
NOREF#327  -  []  89.09 19.85 90 top
NOREF#328  -  []  85.7 62.06 90 top
NOREF#329  -  []  9.22 98.49 90 top
NOREF#330  -  []  -88.58 -175.23 0 top
NOREF#331  -  []  82.87 84.69 0 top
NOREF#332  -  []  79.37 86.69 90 top
NOREF#333  -  []  91.16 67.01 90 top
NOREF#334  -  []  30.83 32.68 90 top
NOREF#335  -  []  30.06 26.57 90 top
NOREF#336  -  []  11.01 53.79 90 top
NOREF#337  -  []  74.03 32.66 90 top
NOREF#338  -  []  78.72 15.53 90 top
NOREF#339  -  []  5.84 14.37 90 top
NOREF#340  -  []  192.99 68.47 0 top
NOREF#341  -  []  55.67 75.14 90 top
NOREF#342  -  []  74.03 32.66 0 top
NOREF#343  -  []  12.89 9.58 0 top
NOREF#344  -  []  52.88 34.09 0 top
NOREF#345  -  []  93.15 63.05 0 top
NOREF#346  -  []  5.11 75.11 0 top
NOREF#347  -  []  18.23 1.46 90 top
NOREF#348  -  []  7.65 15.35 90 top
NOREF#349  -  []  11.62 15.83 0 top
NOREF#350  -  []  88.37 56 90 top
NOREF#351  -  []  55.2 75.79 90 top
NOREF#352  -  []  77.87 87.44 90 top
NOREF#353  -  []  16.86 17.5 0 top
NOREF#354  -  []  16.24 17.33 0 top
NOREF#355  -  []  35.09 36.86 90 top
NOREF#356  -  []  80.46 2.65 90 top
NOREF#357  -  []  95.86 32.04 90 top
NOREF#358  -  []  22.29 12.18 0 top
NOREF#359  -  []  56.45 43.4 0 top
NOREF#360  -  []  78.11 14.52 0 top
NOREF#361  -  []  57.85 40.45 90 top
NOREF#362  -  []  29.95 26.02 90 top
NOREF#363  -  []  18.83 62.84 90 top
NOREF#364  -  []  8.06 68.39 90 top
NOREF#365  -  []  36.57 11.41 90 top
NOREF#366  -  []  94.39 15.67 90 top
NOREF#367  -  []  98.36 32.04 90 top
NOREF#368  -  []  73.48 15.32 0 top
NOREF#369  -  []  18.68 1.41 0 top
NOREF#370  -  []  41.07 85.24 0 top
NOREF#371  -  []  77.87 83.44 90 top
NOREF#372  -  []  25.85 1.46 0 top
NOREF#373  -  []  32.96 15.76 90 top
NOREF#374  -  []  30.38 32.83 90 top
NOREF#375  -  []  6.54 15.05 90 top
NOREF#376  -  []  63.79 64.2 90 top
NOREF#377  -  []  35.08 66.5 90 top
NOREF#378  -  []  20.38 71.31 180 bottom
NOREF#379  -  []  97.73 99.76 270 bottom
NOREF#380  -  []  40.32 90.87 180 bottom
NOREF#381  -  [unnamed#2]  74.23 97.34 180 bottom
NOREF#382  -  []  91.43 23.05 270 bottom
NOREF#383  -  [unnamed#2]  9.59 2.86 180 bottom
NOREF#384  -  [unnamed#2]  97.52 8.92 180 bottom
NOREF#385  -  []  22.8 63.94 180 bottom
NOREF#386  -  []  80.71 22.49 180 bottom
NOREF#387  -  []  81.47 22.54 180 bottom
NOREF#388  -  [unnamed#2]  8.95 94.43 180 bottom
Q701  IRLML6401  [SOT-23]  24.95 29.65 90 bottom
Q702  2SK3018  [SOT323_3]  19.24 32.7 90 bottom
Q703  2SK3018  [SOT323_3]  20.51 60.9 270 bottom
Q704  RYU002N05  [SOT323_3]  36 39.56 180 bottom
